# Altium PCB MEB.PcbDoc
Units mil, origin at the board's own origin, x right, y up, seen from the top; angles counter-clockwise.
Board outline 1960 x 1960 mil, 2 copper layers (Top Layer, Bottom Layer); 44 components, 32 nets, 141 pads, 8 vias.
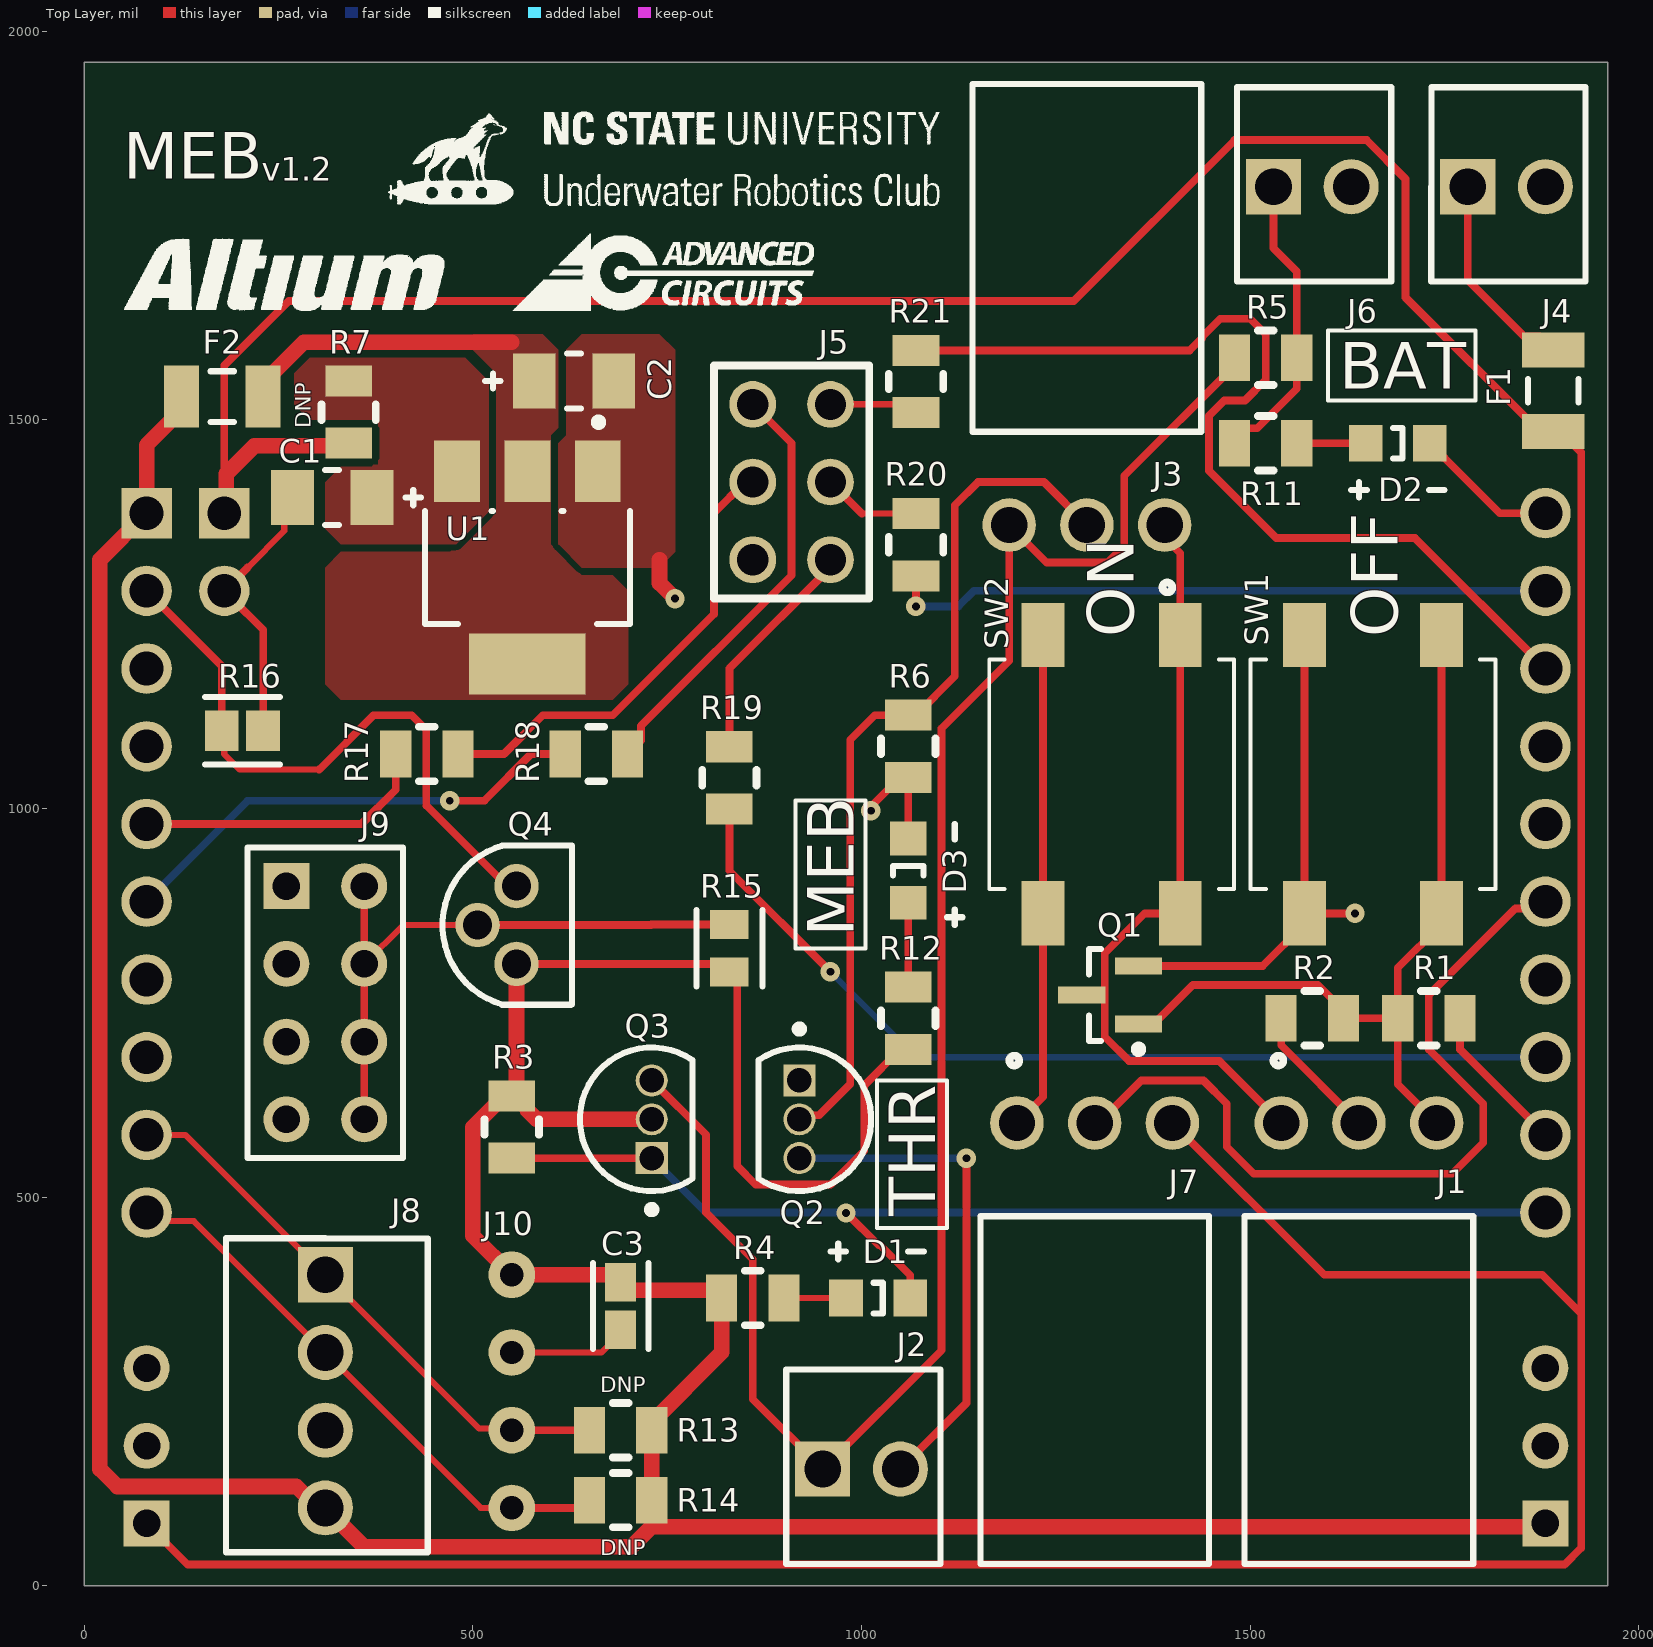
[diagram p0: Top Layer view]
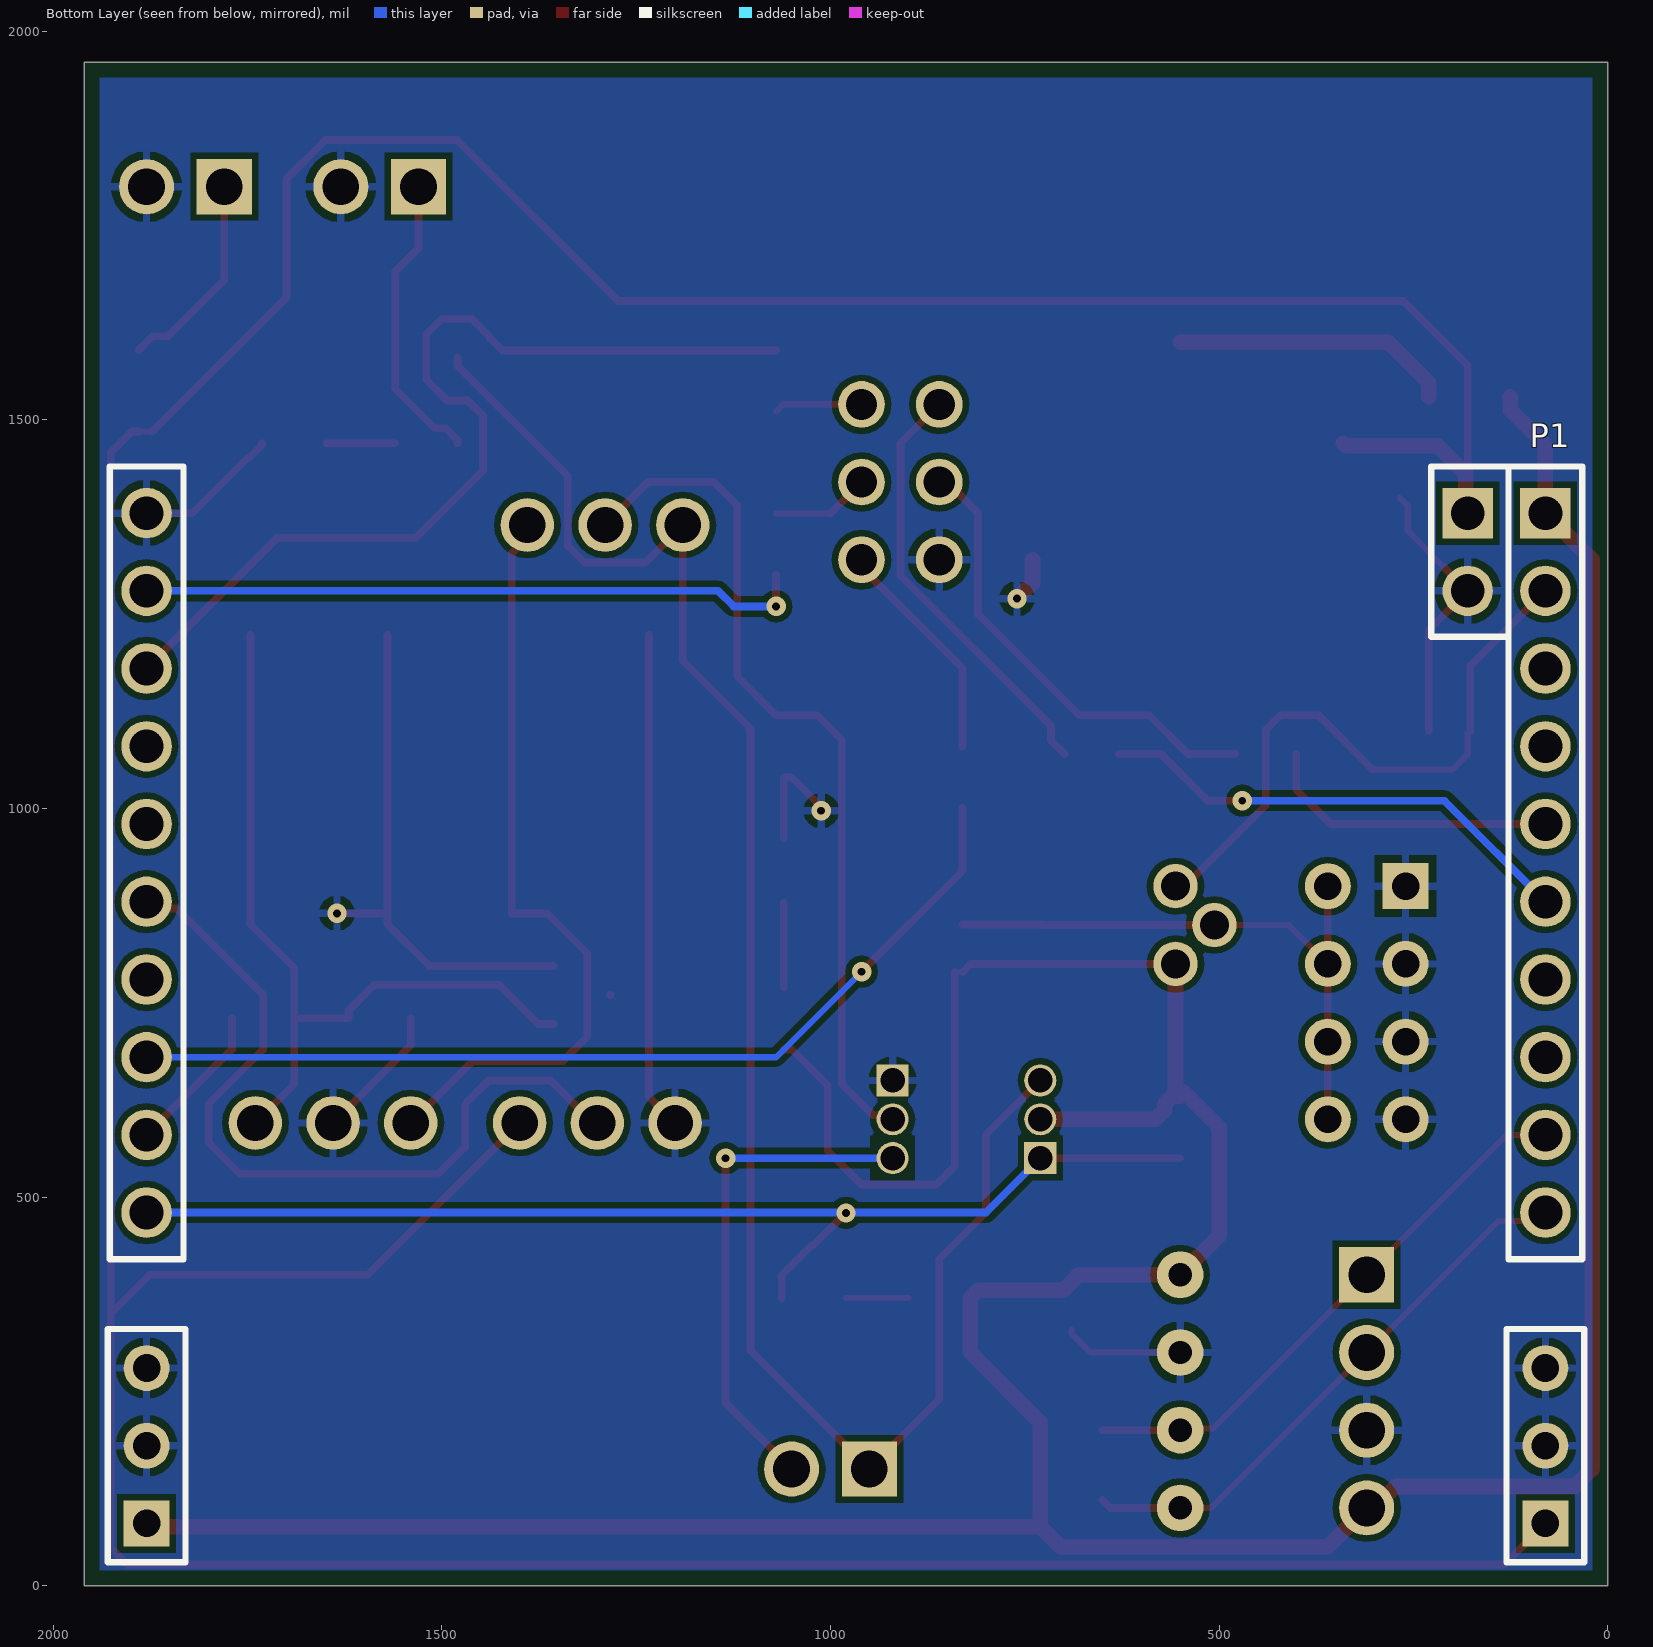
[diagram p1: Bottom Layer view, seen from below]

## Layer stack, top to bottom
Top Solder: solder mask 0.4, Solder Resist, Dk 3.5
Top Layer: signal copper 1.4
Dielectric 1: dielectric 12.6, FR-4, Dk 4.8
Bottom Layer: signal copper 1.4
Bottom Solder: solder mask 0.4, Solder Resist, Dk 3.5

## Board outline
0,0 0,1960 1960,1960 1960,0

## Design rules (kind name [scope] priority, off if disabled: settings)
BoardOutlineClearance [All] p1: gap=10 ignorepadtopadclearanceinfootprint=FALSE except(0: Arc-SplitContinuation Track-SplitContinuation SMDPad-SplitContinuation THPad-SplitContinuation Via-SplitContinuation Fill-SplitContinuation Poly-SplitContinuation Region-SplitContinuation Text-SplitContinuation)
Clearance [All] p1: gap=8 ignorepadtopadclearanceinfootprint=FALSE
HoleSize [All] p1: absolutevalues=TRUE maxlimit=1000 minlimit=4 maxpercent=80.000 minpercent=20.000
HoleToHoleClearance [All] p1: gap=8 allowstackedmicrovias=TRUE
MinimumAnnularRing [All] p1: minimumring=7
MinimumSolderMaskSliver [All] p1: minsoldermaskwidth=5
PolygonConnect [All] p1: connectstyle=Relief reliefconductorwidth=10 reliefentries=4 polygonreliefangle="90 Angle" airgapwidth=10
RoutingVias [All] p1: holewidth=10 width=25 viastyle="Through Hole" minholewidth=4 minwidth=20 maxholewidth=28 maxwidth=50
SilkToSilkClearance [All] p1: silktosilkclearance=5
SilkToSolderMaskClearance [IsPad] p1: minsilkscreentomaskgap=5 clearancetoexposedcopper=TRUE
SolderMaskExpansion [All] p1: expansion=4 istentingtop=FALSE
Width [All] p1: maxlimit=50 minlimit=8 preferedwidth=10 minimp=50.000000 maximp=50.000000 favimp=50.000000
25 further rules are at their usual default settings.

## Classes and differential pairs
component class "U_Temperature Sensor": C3 J10
component class U_LEDs: J5 R17 R18 R19 R20 R21
component class U_LeakSensor: J9 Q4 R15 R16
component class system_SSR_control: D1 J1 J2 J3 Q1 Q2 Q3 R1 R2 R3 R4 R5 R6 SW1 SW2
component class power_regulation: C1 C2 F1 F2 J4 J6 R7 U1
component class MSP-EXP430G2ET_interface: P1 R13 R14
component class MEB: D2 D3 J7 J8 R11 R12

## Components (designator, comment, footprint, x,y, rotation, side; value= is the part's Value field where it differs from the comment)
C1 "10uF" FP-TAJA-MFG 318.82,1400 r0 top
C2 "10uF" FP-TAJA-MFG 630,1550 r180 top
C3 "1uF" FP-0603-L_1_6_0_1-W_0_8_0-IPC_A 690,360 r270 top
D1 "1.9V" 0805_A 1021.34,370 r180 top
D2 "3.2V" 0805_A 1690,1470 r180 top
D3 "3.2V" 0805_A 1060,920 r270 top
F1 "0466002.NRHF" FP-0466-MFG 1890,1537.5 r90 top value=2A
F2 "0466001.NR" FP-0466-MFG 177.5,1530 r180 top value=1A
J1 "171857-0003" 171857-0003 1640,350 r180 top value=1x3
J2 "171856-0002" SHDR2W99P0X254_1X2_493X635X818P 950,150 r0 top value=1x2
J3 "171857-0003" 171857-0003 1290,1610 r0 top value=1x3
J4 "171856-0002" SHDR2W99P0X254_1X2_493X635X818P 1780,1800 r0 top value=1x2
J5 "Header" "2x3 Header" 910,1420 r90 top value=2x3
J6 "171856-0002" SHDR2W99P0X254_1X2_493X635X818P 1530,1800 r0 top value=1x2
J7 "171857-0003" 171857-0003 1300,350 r180 top value=1x3
J8 "171856-0004" SHDR4W99P0X254_1X4_1001X635X1105P 310,400 r270 top value=1x4
J9 "TLW-104-05-T-D" HDR2X4 260,900 r270 top value=2x4
J10 "1x4 Header" "1X4 HEADER" 350,200 r270 top value=1x4
P1 "MSP-EXP430G2ET Interface with 1x3 Power Headers" "MSP-EXP430G2ET Interface Power" 80,1380 r180 bottom locked
Q1 "2.1V" NDS351AN 1320,760 r180 top
Q2 "2N7000" ONSC-TO-92-3-29-11 920,600 r270 top value=1V
Q3 "2N7000" ONSC-TO-92-3-29-11 730,600 r90 top value=1V
Q4 "TP2104N3-G" FP-TP2104N3-G-MFG 545,850 r180 top value=20V
R1 "100" SMD-0805-RES 1730,730 r90 top
R2 "10k" SMD-0805-RES 1580,730 r90 top
R3 "100k" SMD-0805-RES 550,590 r180 top
R4 "140" SMD-0805-RES 860,370 r270 top
R5 "100k" SMD-0805-RES 1520,1580 r90 top
R6 "100k" SMD-0805-RES 1060,1080 r180 top
R7 "DNP" SMD-0805-RES 340,1510 r180 top value=0.0
R11 "1.3k" SMD-0805-RES 1520,1470 r270 top
R12 "10" SMD-0805-RES 1060,730 r0 top
R13 "4.7k" SMD-0805-RES 690,200 r270 top
R14 "4.7k" SMD-0805-RES 690,110 r270 top
R15 "1M" FP-RMCF0805-IPC_C 830,820 r270 top
R16 "10k" FP-RNCP0805-IPC_C 203.37,1100 r180 top
R17 "47" SMD-0805-RES 440.63,1070 r90 top
R18 "47" SMD-0805-RES 658.74,1070 r90 top
R19 "47" SMD-0805-RES 830,1039.37 r180 top
R20 "47" SMD-0805-RES 1070,1339.37 r180 top
R21 "47" SMD-0805-RES 1070,1549.37 r0 top
SW1 "FSM2JSMA" FSM2JSMA 1658.19,1044.13 r180 top value=24V
SW2 "FSM2JSMA" FSM2JSMA 1321.81,1044.13 r180 top value=24V
U1 "NCP1117LPST33T3G" FP-318H-MFG 570,1310 r270 top value=1A

## Footprints (in the part's own frame and the unit in brackets; to place one, negate y for a bottom-side part, rotate by r counter-clockwise, add the part's x,y. Pads: shape width x height; smd on the part's side, far side on the other; paste and mask are expansions set on the pad)
"1X4 HEADER" [mil]
  round 60 hole 30: 1(-200,200) 2(-100,200) 3(0,200) 4(100,200)
"2x3 Header" [mil]
  round 60 hole 40: 1(-100,-50) 2(-100,50) 3(0,-50) 4(0,50) 5(100,-50) 6(100,50)
  silkscreen extent -150,-100 150,100, body extent -150,-100 150,100, height 374
0805_A [mm] "Chip LED, 2-Leads, Body 2.0x1.3mm, IPC Medium Density"
  rect 1.1x1.2 smd: 1(-1.05,0) 2(1.05,0)
  silkscreen extent -0.15,-0.5 0.15,0.5, body extent -1,-0.62 1,0.63, height 0.68
171857-0003 [mm]
  round 1.75 hole 1.19: 1(2.54,-6.23) 2(0,-6.23) 3(-2.54,-6.23)
  silkscreen extent -3.74,-8.43 3.74,8.18
FP-318H-MFG [mm]
  rect 2x1.5 smd paste+0 mask+0: 1(-3.15,2.3) 2(-3.15,0) 3(-3.15,-2.3)
  rect 2x3.8 smd paste+0 mask+0: 4(3.15,0)
  silkscreen extent -4.87,-3.35 1.85,3.35, body extent -4.25,-3.68 4.25,3.68, height 0.25
FP-0466-MFG [mil]
  rect 45x80 smd paste+0 mask+0: 1(-52.5,0) 2(52.5,0)
  silkscreen extent -15,-32 15,32, body extent -79,-44 79,44, height 10
FP-0603-L_1_6_0_1-W_0_8_0-IPC_A [mil]
  rect 49.52x39.85 smd paste+0 mask+0: 1(-30.6,0) 2(30.6,0)
  silkscreen extent -55,-36 55,36, body extent -75,-40 75,40, height 10
FP-RMCF0805-IPC_C [mil]
  rect 37.58x49.69 smd paste+0 mask+0: 1(-30.54,0) 2(30.54,0)
  silkscreen extent -49,-42 49,42, body extent -53,-31 53,31, height 10
FP-RNCP0805-IPC_C [mil]
  rect 43.52x51.5 smd paste+0 mask+0: 1(-26.63,0) 2(26.63,0)
  silkscreen extent -48,-43 48,43, body extent -52,-31 52,31, height 10
FP-TAJA-MFG [mm]
  rect 1.4x1.8 smd paste+0 mask+0: 1(-1.3,0) 2(1.3,0)
  silkscreen extent -0.23,-0.9 2.9,0.9, body extent -2.1,-1 2.1,1, height 0.25
FP-TP2104N3-G-MFG [mm]
  round 1.45 hole 0.95 paste-1000 mask+0: 1(-0.279,1.27) 2(0.991,0) 3(-0.279,-1.27)
  silkscreen extent -2.1,-2.6 2.14,2.6, body extent -2.2,-2.7 2.2,2.7, height 0.25
FSM2JSMA [mm] "SPST OFF-MOM Switch"
  rect 1.4x2.1 smd: 1(2.24,4.55) 2(2.24,-4.55) 3(-2.24,4.55) 4(-2.24,-4.55)
  silkscreen extent -4,-3.75 4,3.75, body extent -3,-5 3,5, height 4.28
HDR2X4 [mm] "Connector; Header; 4x2 Position"
  rect 1.5x1.5 hole 0.9: 1(0,0)
  round 1.5 hole 0.9: 2(0,2.54) 3(2.54,0) 4(2.54,2.54) 5(5.08,0) 6(5.08,2.54) 7(7.62,0) 8(7.62,2.54)
  silkscreen extent -1.27,-1.27 8.89,3.81
"MSP-EXP430G2ET Interface Power" [mm] "MSP-EXP430G2ET Interface with 1x3 Power Headers"
  rect 1.65x1.65 hole 1.1: 1(0,0) 21(-2.54,0)
  round 1.65 hole 1.1: 2(0,-2.54) 3(0,-5.08) 4(0,-7.62) 5(0,-10.16) 6(0,-12.7) 7(0,-15.24) 8(0,-17.78) 9(0,-20.32) 10(0,-22.86) 11(-45.72,-22.86) 12(-45.72,-20.32) 13(-45.72,-17.78) 14(-45.72,-15.24) 15(-45.72,-12.7) 16(-45.72,-10.16) 17(-45.72,-7.62) 18(-45.72,-5.08) 19(-45.72,-2.54) 20(-45.72,0) 22(-2.54,-2.54)
  rect 1.5x1.5 hole 0.9: 23(-45.72,-33.02) 28(0,-33.02)
  round 1.5 hole 0.9: 24(-45.72,-30.48) 25(-45.72,-27.94) 26(0,-27.94) 27(0,-30.48)
  silkscreen extent -46.99,-34.29 1.27,1.53, body extent -46.99,-34.29 1.27,1.53, height 8.55
NDS351AN [mm] "SOT23, 3-Leads, Body 3.0x2.6mm (max), Pitch 0.95mm, IPC Medium Density"
  rect 1.55x0.55 smd: D(0.925,0) G(-0.925,0.95) S(-0.925,-0.95)
  silkscreen extent -1.05,-1.5 0.7,1.9, body extent -0.7,-1.5 0.7,1.5, height 1.1
ONSC-TO-92-3-29-11 [mm] "TO, 3-Leads, Body Dia 4.7mm, Pitch 1.27mm"
  rect 1.05x1.05 hole 0.8: 1(-1.27,0)
  round 1.05 hole 0.8: 2(0,0) 3(1.27,0)
  silkscreen extent -3.07,-1.34 2.35,2.35, body extent -2.35,-1.33 2.36,2.36, height 7.87
SHDR2W99P0X254_1X2_493X635X818P [mm]
  rect 1.8x1.8 hole 1.2: 1(0,0)
  round 1.8 hole 1.2: 2(2.54,0)
  silkscreen extent -1.19,-3.1 3.85,3.25, body extent -1.19,-3.17 3.73,3.17, height 8.18
SHDR4W99P0X254_1X4_1001X635X1105P [mm]
  rect 1.8x1.8 hole 1.2: 1(0,0)
  round 1.8 hole 1.2: 2(2.54,0) 3(5.08,0) 4(7.62,0)
  silkscreen extent -1.19,-3.25 9.07,3.35, body extent -1.19,-3.18 8.81,3.18, height 11.05
SMD-0805-RES [mil]
  rect 60x40 smd: 1(0,40) 2(0,-40)
  silkscreen extent -35,-10 35,10, body extent -24,-39 26,39, height 31

## Part data
C1 C2: library part CMP-1661-00004-2, "CAP TANT 10UF 10% 16V 1206", Case Code (Imperial)=1206, Case Code (Metric)=3216, Dielectric Material=Tantalum, ESR (Equivalent Series Resistance)=3R, Leakage Current=1.6uA, Manufacturer="KYOCERA AVX", Manufacturer Part Number=TAJA106K016RNJ, Max Operating Temperature=125°C, Min Operating Temperature=-55°C, Package Quantity=1, Tolerance=10%, Voltage=16V, Capacitance=10uF, Case/Package=1206, Depth=1.6mm, Dissipation Factor=8%, Features="General Purpose", Height=1.6mm, Height - Seated (Max)=0.071inch, Lead Free="Lead Free", Lead Pitch=1.1mm, Length=3.2mm, Mount="Surface Mount", Number of Pins=2, Packaging="Tape and Reel", Polarity=Polar, Radiation Hardening=No, REACH SVHC="No SVHC", Termination=SMD/SMT, Voltage Rating=16V, Voltage Rating (DC)=16V, Width=1.6mm
C3: library part CMP-2000-05447-3, "CAP CER 1UF 50V X5R 0603", Case Code (Imperial)=0603, Case Code (Metric)=1608, Dielectric=X5R, Manufacturer="Taiyo Yuden", Manufacturer Part Number=UMK107BJ105KA-T, Max Operating Temperature=85°C, Min Operating Temperature=-55°C, Package Quantity=1, Tolerance=10%, Voltage Rating=50V, Capacitance=1uF, Case/Package=0603, Construction=Flat, Contact Plating=Nickel, Depth=0.8mm, Halogen Free="Halogen Free", Height=0.8mm, Length=1.6mm, Mount="Surface Mount", Number of Pins=2, Packaging="Tape and Reel", Radiation Hardening=No, RoHS Compliant=Yes, Series=M, Termination=SMD/SMT, Thickness=0.035inch, Voltage Rating (DC)=50V, Width=0.031inch
D1: library part CMP-1426-00010-1, "LED RED CLEAR 0805 SMD", Manufacturer="Würth Elektronik", Manufacturer Part Number=150080SS75000, Operating Temperature="-40°C ~ 85°C", Package / Case="0805 (2012 Metric)", Datasheet Link=https://www.we-online.com/katalog/datasheet/150080SS75000.pdf, RoHS=YES
D2: library part CMP-1426-00008-1, "LED BLUE CLEAR 0805 SMD", Manufacturer="Würth Elektronik", Manufacturer Part Number=150080BS75000, Operating Temperature="-40°C ~ 85°C", Package / Case="0805 (2012 Metric)", Datasheet Link=https://www.we-online.com/katalog/datasheet/150080BS75000.pdf, RoHS=YES
D3: library part CMP-1426-00007-1, "LED GREEN CLEAR 0805 SMD", Manufacturer="Würth Elektronik", Manufacturer Part Number=150080GS75000, Operating Temperature="-40°C ~ 85°C", Package / Case="0805 (2012 Metric)", Datasheet Link=https://www.we-online.com/katalog/datasheet/150080GS75000.pdf, RoHS=YES
F1: library part CMP-08605-000085-1, "FUSE BOARD MNT 2A 63VAC/VDC 1206", Case Code (Imperial)=1206, Case Code (Metric)=3216, Current=2A, DC Cold Resistance=31mR, Manufacturer="Littelfuse Inc.", Max Operating Temperature=90°C, Min Operating Temperature=-55°C, Package Quantity=5000, Power Dissipation=157.5mW, Voltage Rating (AC)=63V, Approvals=UL, Case/Package=1206, Current Rating=2A, Depth=1.52mm, Fuse Type="Board Mount (Cartridge Style Excluded)", Height=0.023inch, Housing Material=Ceramic, Length=3.18mm, Manufacturer Part Number=0466002.NRHF, Mount="Surface Mount", Packaging="Tape and Reel", Voltage Rating (DC)=63V, Width=0.06inch
F2: library part CMP-08605-000058-1, "FUSE BOARD MNT 1A 63VAC/VDC 1206", Fuse Current=1A, Fuse Interrupt Ac Current=50A, Fuse Voltage Drop=79.97mV, Manufacturer="Littelfuse Inc", Max Fuse Ac Voltage=63V, Package=0466, Resistance=0.075Ω, Temperature="-55°C to +90°C", Temperature Range High=+90°C, Temperature Range Low=-55°C, Automotive=No, Category=Fuse, ComponentLink2Description=Datasheet, ComponentLink2URL=https://www.littelfuse.com/~/media/electronics/datasheets/fuses/littelfuse_fuse_466_datasheet.pdf.pdf, Device Class L1="Circuit Protection", Device Class L2=Fuses, Device Class L3=unset, Digikey Description="FUSE BOARD MNT 1A 63VAC/VDC 1206", Fuse Blow Speed=Fast, Fuse I2T=0.0423A2Sec, Fuse Interrupt Dc Current=50A, Height=0.66mm, Lead Free=Yes, Manufacturer Part Number=0466001.NR, Max Fuse Dc Voltage=63V, Mouser Description="Surface Mount Fuses 63V FA 1206 1A VFA Slimline", Octopart=https://octopart.com/0466001.nr-littelfuse-566005, RoHS=TRUE, Voltage Rating=63V
J1 J3 J7: "CONN HEADER R/A 3POS 2.54MM", Manufacturer=Molex, Mouser2 Part Number=538-171857-0003, Datasheet Link=https://componentsearchengine.com//171857-0003.pdf, Manufacturer Part Number=171857-0003, Manufacturer_Name=Molex, Mouser2 Price/Stock=https://www.mouser.com/Search/Refine.aspx?Keyword=538-171857-0003
J2 J4 J6: "CONN HEADER VERT 2POS 2.54MM", Manufacturer=Molex, Mouser2 Part Number=538-171856-0002, Datasheet Link=https://componentsearchengine.com//171856-0002.pdf, Height=8.18mm, Manufacturer Part Number=171856-0002, Manufacturer_Name=Molex, Mouser2 Price/Stock=https://www.mouser.com/Search/Refine.aspx?Keyword=538-171856-0002
J5: library part "2x3 Header", "CONN HEADER VERT 6POS 2.54MM", Manufacturer="Amphenol ICC (FCI)", Manufacturer 1=FCI, Manufacturer Part Number=67996-406HLF, Supplier Part Number 1=20M2191, ComponentLink1Description=http://www.farnell.com/datasheets/1876884.pdf, ComponentLink1URL=http://www.farnell.com/datasheets/1876884.pdf, Contact Plating="Tin Plated Contacts", Contact Termination Type="Through Hole", Description 1="FCI - 67996-406HLF - BOARD-BOARD CONNECTOR HEADER, 6 POSITION, 2ROW", Gender=Header, No. of Contacts=6, No. of Rows=2, Pitch Spacing=2.54, Pricing 1="1=0.254, 10=0.218, 25=0.186, 50=0.178, 100=0.16, 250=0.153, 500=0.128, 1000=0.117 (USD)", Product Range="BergStik 67996 Series", RoHS=YES, Stock 1=441, Supplier 1=Newark
J8: "CONN HEADER VERT 4POS 2.54MM", Manufacturer=Molex, Datasheet Link=https://www.molex.com/pdm_docs/sd/1718560004_sd.pdf, Height=11.05mm, Manufacturer Part Number=171856-0004, Manufacturer_Name=Molex
J9: library part "Header 4X2", "CONN HEADER VERT 8POS 2.54MM", Manufacturer="Samtec Inc.", LatestRevisionDate=17-Jul-2002, LatestRevisionNote="Re-released for DXP Platform.", Manufacturer Part Number=TLW-104-05-T-D, Publisher="Altium Limited"
J10: library part "1X4 Header", "CONN HEADER VERT 4POS 2.54MM", Manufacturer="Würth Elektronik", Manufacturer Part Number=61300411121
P1: library part "MSP-EXP430G2ET Interface Power", "LAUNCHPAD MSP430G2553 EVAL BRD", Manufacturer="Texas Instruments", Manufacturer Part Number=MSP-EXP430G2ET
Q1: library part N-MOSFET, "MOSFET N-CH 60V 270MA TO236AB", Manufacturer="Nexperia USA Inc.", Manufacturer Part Number=NX7002BKR, Operating Temperature="-55°C ~ 150°C", Package / Case=SOT-23-3, Datasheet Link=https://assets.nexperia.com/documents/data-sheet/NX7002BK.pdf, RoHS=YES
Q2 Q3: library part CMP-1058-00936-1, "N-Channel 60 V 350mA (Tc) 350mW (Ta) Through Hole TO-92-3", Manufacturer="On Semiconductor", Operating Temperature="-55°C ~ 150°C", Package / Case=TO-92, Datasheet Link=http://www.onsemi.com/pub_link/Collateral/2N7000-D.PDF, Manufacturer Part Number=2N7000, RoHS=YES
Q4: library part CMP-06369-000017-1, "MOSFET P-CH 40V 175MA TO92-3", Case/Package=TO-92-3, Continuous Drain Current (ID)=175mA, Drain to Source Breakdown Voltage=-40V, Drain to Source Resistance=6R, Drain to Source Voltage (Vdss)=40V, Gate to Source Voltage (Vgs)=20V, Input Capacitance=60pF, Manufacturer="Microchip Technology", Max Operating Temperature=150°C, Max Power Dissipation=740mW, Min Operating Temperature=-55°C, Package Quantity=1000, Element Configuration=Single, Fall Time=4ns, Height=5.33mm, Lead Free="Lead Free", Length=5.21mm, Manufacturer Part Number=TP2104N3-G, Mount="Through Hole", Number of Channels=1, Number of Pins=3, Packaging=Bulk, Polarity=P-CHANNEL, Power Dissipation=740mW, Rds On Max=6R, Rise Time=4ns, RoHS Compliant=Yes, Series=-, Turn-Off Delay Time=5ns, Turn-On Delay Time=4ns, Weight=0.016oz, Width=4.19mm
R1: library part ERJ-6ENF1000V, "RES SMD 100 OHM 1% 1/8W 0805", Manufacturer=YAGEO, Manufacturer Part Number=RC0805FR-07100RL, Operating Temperature="-55°C ~ 155°C", Package / Case="0805 (2012 Metric)", Datasheet Link=https://www.yageo.com/upload/media/product/productsearch/datasheet/rchip/PYu-RC_Group_51_RoHS_L_11.pdf, RoHS=YES
R2: library part ERJ-6ENF1002V, "RES SMD 10K OHM 1% 1/8W 0805", Manufacturer=YAGEO, Manufacturer Part Number=RC0805JR-0710KL, Operating Temperature="-55°C ~ 155°C", Package / Case="0805 (2012 Metric)", Datasheet Link=https://www.yageo.com/upload/media/product/productsearch/datasheet/rchip/PYu-RC_Group_51_RoHS_L_11.pdf, RoHS=YES
R3 R5: library part ERJ-6ENF1003V, "RES SMD 100K OHM 1% 1/8W 0805", Manufacturer="Panasonic Electronic Components", Operating Temperature="-55°C ~ 155°C", Package / Case="0805 (2012 Metric)", Datasheet Link=http://industrial.panasonic.com/www-cgi/jvcr13pz.cgi?E+PZ+3+AOA0002+ERJ6ENF1003V+7+WW, Manufacturer Part Number=ERJ-6ENF1003V, RoHS=YES
R4: library part ERJ-6ENF1400V, "RES SMD 140 OHM 1% 1/8W 0805", Manufacturer=YAGEO, Manufacturer Part Number=RC0805FR-07140RL, Operating Temperature="-55°C ~ 155°C", Package / Case="0805 (2012 Metric)", Datasheet Link=https://www.yageo.com/upload/media/product/productsearch/datasheet/rchip/PYu-RC_Group_51_RoHS_L_11.pdf, RoHS=YES
R6: library part ERJ-6ENF1003V, "RES SMD 100K OHM 1% 1/8W 0805", Digi-Key Part Number=P100KCCT-ND, Manufacturer="Panasonic Electronic Components", Operating Temperature="-55°C ~ 155°C", Package / Case="0805 (2012 Metric)", Power (Watts)="0.125W, 1/8W", Supplier Device Package=0805, Temperature Coefficient=±100ppm/°C, Tolerance=±1%, @ qty=1500, Composition="Thick Film", Datasheets=http://industrial.panasonic.com/www-cgi/jvcr13pz.cgi?E+PZ+3+AOA0002+ERJ6ENF1003V+7+WW, Factory Stock=0, Failure Rate=-, Features="Automotive AEC-Q200", Height - Seated (Max)="0.028\" (0.70mm)", Image=//media.digikey.com/Renders/Panasonic%20Renders/ERJ-0805%20Pkg.jpg, Manufacturer Part Number=ERJ-6ENF1003V, Minimum Quantity=1, Number of Terminations=2, Packaging="Cut Tape (CT)", Part Number=ERJ-6ENF1003V, Part Status=Active, Quantity Available=760677, Series=ERJ, Size / Dimension="0.079\" L x 0.049\" W (2.00mm x 1.25mm)", Unit Price (USD)=0.00729
R7: library part ERJ-6GEY0R00V, "RES SMD 0 OHM JUMPER 1/8W 0805", Digi-Key Part Number=P0.0ACT-ND, Manufacturer="Panasonic Electronic Components", Operating Temperature="-55°C ~ 155°C", Package / Case="0805 (2012 Metric)", Power (Watts)="0.125W, 1/8W", Supplier Device Package=0805, Temperature Coefficient=-, Tolerance=Jumper, @ qty=1500, Composition="Thick Film", Datasheets=http://industrial.panasonic.com/www-cgi/jvcr13pz.cgi?E+PZ+3+AOA0001+ERJ6GEY0R00V+7+WW, Factory Stock=0, Failure Rate=-, Features="Automotive AEC-Q200", Height - Seated (Max)="0.028\" (0.70mm)", Image=//media.digikey.com/Renders/Panasonic%20Renders/ERJ-0805%20Pkg.jpg, Manufacturer Part Number=ERJ-6GEY0R00V, Minimum Quantity=1, Number of Terminations=2, Packaging="Cut Tape (CT)", Part Number=ERJ-6GEY0R00V, Part Status=Active, Quantity Available=1597627, Series=ERJ, Size / Dimension="0.079\" L x 0.049\" W (2.00mm x 1.25mm)", Unit Price (USD)=0.00544
R11: library part ERJ-6GEYJ132V, "RES SMD 1.3K OHM 5% 1/8W 0805", Manufacturer="KOA Speer Electronics, Inc.", Manufacturer Part Number=RK73B2ATTD132J, Operating Temperature="-55°C ~ 155°C", Package / Case="0805 (2012 Metric)", Datasheet Link=https://www.koaspeer.com/pdfs/RK73B.pdf, RoHS=YES
R12: library part ERJ-6ENF10R0V, "RES SMD 10 OHM 1% 1/8W 0805", Manufacturer=YAGEO, Manufacturer Part Number=RC0805FR-0710RL, Operating Temperature="-55°C ~ 155°C", Package / Case="0805 (2012 Metric)", Datasheet Link=https://www.yageo.com/upload/media/product/productsearch/datasheet/rchip/PYu-RC_Group_51_RoHS_L_11.pdf, RoHS=YES
R13 R14: library part ERJ-6ENF4701V, "RES SMD 4.7K OHM 1% 1/8W 0805", Manufacturer=YAGEO, Manufacturer Part Number=RT0805FRE074K7L, Operating Temperature="-55°C ~ 155°C", Package / Case="0805 (2012 Metric)", Datasheet Link=https://www.yageo.com/upload/media/product/productsearch/datasheet/rchip/PYu-RT_1-to-0.01_RoHS_L_12.pdf, RoHS=YES
R15: library part CMP-26527-000066-1, "RES 1M OHM 5% 1/8W 0805", Case Code (Imperial)=0805, Case Code (Metric)=2012, Manufacturer="Stackpole Electronics Inc", Manufacturer Part Number=RMCF0805JT1M00, Max Operating Temperature=155°C, Max Power Dissipation=125mW, Min Operating Temperature=-55°C, Resistance=1MR, Resistor Type="Thick Film", Temperature Coefficient=200ppm/°C, Tolerance=5%, Case/Package=0805, Construction=Rectangular, Contact Plating=Tin, Depth=1.25mm, Features="Automotive AEC-Q200", Height=0.026inch, Lead Free="Lead Free", Length=2mm, Military Standard=Not, Mount="Surface Mount", Number of Terminations=2, Packaging="Tape and Reel", Radiation Hardening=No, RoHS Compliant=Yes, Series=RMCF, Width=0.049inch
R16: library part CMP-26527-007436-1, "RES 10K OHM 1% 1/4W 0805", Case Code (Imperial)=0805, Case Code (Metric)=2012, Manufacturer="Stackpole Electronics Inc", Manufacturer Part Number=RNCP0805FTD10K0, Max Operating Temperature=155°C, Max Power Dissipation=250mW, Min Operating Temperature=-55°C, Resistance=10kR, Resistor Type="Thin Film", Temperature Coefficient=100ppm/°C, Tolerance=1%, Case/Package=0805, Features="Moisture Resistant", Height=0.024inch, Lead Free="Lead Free", Length=0.079inch, Mount="Surface Mount", Number of Terminations=2, Packaging="Tape and Reel", RoHS Compliant=Yes, Series=RNCP, Width=0.049inch
R17 R18 R19 R20 R21: library part ERJ-6ENF47R0V, "RES SMD 47 OHM 1% 1/8W 0805", Digi-Key Part Number=P47.0CCT-ND, Manufacturer="Panasonic Electronic Components", Operating Temperature="-55°C ~ 155°C", Package / Case="0805 (2012 Metric)", Power (Watts)="0.125W, 1/8W", Supplier Device Package=0805, Temperature Coefficient=±100ppm/°C, Tolerance=±1%, @ qty=1500, Composition="Thick Film", Datasheets=http://industrial.panasonic.com/www-cgi/jvcr13pz.cgi?E+PZ+3+AOA0002+ERJ6ENF47R0V+7+WW, Factory Stock=0, Failure Rate=-, Features="Automotive AEC-Q200", Height - Seated (Max)="0.028\" (0.70mm)", Image=//media.digikey.com/Renders/Panasonic%20Renders/ERJ-0805%20Pkg.jpg, Manufacturer Part Number=ERJ-6ENF47R0V, Minimum Quantity=1, Number of Terminations=2, Packaging="Cut Tape (CT)", Part Number=ERJ-6ENF47R0V, Part Status=Active, Quantity Available=66070, Series=ERJ, Size / Dimension="0.079\" L x 0.049\" W (2.00mm x 1.25mm)", Unit Price (USD)=0.00729
SW1 SW2: "SWITCH TACTILE SPST-NO 0.05A 24V", Manufacturer="TE Connectivity", Operating Temperature="-35°C ~ 85°C", Package / Case=Non-standard, Datasheet Link=https://www.te.com/commerce/DocumentDelivery/DDEController?Action=srchrtrv&DocNm=1308111-1_SWITCHES_CORE_PROGRAM_CATALOG&DocType=CS&DocLang=English, Manufacturer Part Number=FSM2JSMA, RoHS=YES
U1: library part CMP-07128-000031-1, "IC REG LINEAR 3.3V 1A SOT223", Case/Package=SOT-223, Dropout Voltage=1.3V, Manufacturer="On Semiconductor", Max Input Voltage=18V, Max Operating Temperature=125°C, Max Output Current=1A, Min Current Limit=1.1A, Min Input Voltage=-300mV, Min Operating Temperature=0°C, Min Output Voltage=3.3V, Package Quantity=1, Power Supply Rejection Ratio (PSRR)=60dB, Quiescent Current=700uA, Reference Voltage=1.275V, Contact Plating=Tin, Halogen Free="Halogen Free", Height=1.69mm, Lead Free="Lead Free", Length=6.7mm, Manufacturer Part Number=NCP1117LPST33T3G, Mount="Surface Mount", Nominal Output Voltage=3.3V, Number of Outputs=1, Number of Pins=3, Number of Regulators=1, Output Current=1A, Output Type=Fixed, Output Voltage=3.3V, Packaging="Tape and Reel", Polarity=Positive, REACH SVHC="No SVHC", Width=3.7mm

## Via types
v1: diameter 25, hole 10, Top Layer to Bottom Layer, 8 vias

## Nets (pads, with @x,y where several pads share a name; then routed paths per layer and width w, separated by ;. In a path a pad name is that pad's centre, name@x,y a point inside that pad or via, vN(x,y) a via of type N, cw(c..) or ccw(c..) an arc to the next point about the centre after c; other vN are vias at no path point)
3V3: C3.1 F2.2 J8.4 J10.1 P1.1 P1.23 Q3.2 Q4.1 R3.2 R4.2 R12.2 R13.1 R14.1 R15.2 | length 5474.6
  Top Layer w8: R3.2 R3.2@556,636
  Top Layer w10: Q4.1 819.46,800 R15.2 ; R15.2@840,789.46 840,540 864,516 960,516 1003.5,559.5 1003.5,643.5 1050,690 R12.2
  Top Layer w20: F2.2 125,1512.5 80,1467.5 P1.1 20,1320 20,150 42.47,127.53 272.85,127.53 300.38,100 J8.4 360,50 704,50 730,76 ; R3.2@545,635 500,590 500,450 J10.1 680.6,400 C3.1 690,389.92 699.92,380 810,380 R4.2 820,300 730,210 R13.1 R14.1 730,76 ; R3.2 560,630 570,620 570,611.72 581.72,600 Q3.2 ; R3.2@556,636 Q4.1 ; P1.23 1876,76 730,76
5V: F1.1 J7.3 P1.21 P1.28 R7.1 | length 6401.7
  Top Layer w8: F1.1@1872.5,1485 F1.1
  Top Layer w10: P1.28 133,27 1904.44,27 1926,48.56 1926,350 ; 182.72,1430.76 180,1433.48 180,1570 263,1653 1273,1653 1480,1860 1650,1860 1700,1810 1700,1657.5 F1.1@1872.5,1485 ; J7.3 1595.28,400 1876,400 1926,350 ; F1.1 1899,1485 1926,1458 1926,350
  Top Layer w20: P1.21 182.72,1382.72 182.72,1430.76 218.51,1466.55 336.55,1466.55 R7.1
GND: C1.1 C2.1 C3.2 D2.1 D3.1 J1.2 J4.2 J5.2 J6.2 J7.1 J8.3 J9.1 J9.3 J9.5 J9.7 J10.2 P1.20 P1.22 P1.24 P1.25 P1.26 P1.27 Q1.S Q2.1 R2.1 R6.1 R16.1 SW1.1 SW1.2 SW2.1 SW2.2 U1.1 | length 2401.6
  Top Layer w8: 210,1310 257.25,1357.25 257.25,1389.62 C1.1 ; J10.2 665.43,300 690,324.57 C3.2
  Top Layer w10: 210,1310 P1.22 180,1270 190,1270 230,1230 R16.1 ; v1(1012,997) 1012,1002 1050,1040 R6.1 D3.1 ; J7.1 1233.62,628.9 SW2.1 SW2.2 ; Q1.S 1516.18,797.4 1570,851.22 SW1.1 ; R2.1 1540,695.28 J1.2 ; SW1.2 SW1.1 ; v1(1635,865) SW1.1 ; D2.1 1731.34,1468.03 1747.99,1451.38 1749.96,1451.38 1821.34,1380 P1.20
  Top Layer w20: 740,1320 740,1290 v1(760,1270)
NetC1_2: C1.2 R7.2 U1.3
NetC2_2: C2.2 F2.1 U1.2 U1.4 | length 359.2
  Top Layer w20: F2.1 230,1547.5 282.5,1600 550,1600
NetD1_2: D1.2 R4.1 | length 80
  Top Layer w8: R4.1 D1.2
NetD2_2: D2.2 R11.1 | length 88.7
  Top Layer w10: R11.1 D2.2
NetD3_2: D3.2 R12.1 | length 108.7
  Top Layer w10: R12.1 D3.2
NetF1_2: F1.2 J4.1 | length 267.3
  Top Layer w10: J4.1 1780,1680 1852.5,1607.5 1872.5,1607.5 F1.2
NetJ2_2: J2.2 Q2.3 | length 650.2
  Top Layer w10: J2.2 1135,235 v1(1135,550)
  Bottom Layer w10: Q2.3 v1(1135,550)
NetJ5_1: J5.1 R19.2 | length 294.5
  Top Layer w10: R19.2 830,1180 960,1310 J5.1
NetJ5_3: J5.3 R20.2 | length 126.8
  Top Layer w8: 1000.63,1379.37 R20.2
  Top Layer w10: J5.3 1000.63,1379.37
NetJ5_4: J5.4 R17.2 | length 591.8
  Top Layer w10: R17.2@479.37,1070 540,1070 590,1120 680,1120 810,1250 810,1380 J5.4@850,1420
NetJ5_5: J5.5 R21.2 | length 133.9
  Top Layer w8: J5.5@940,1520 1060.63,1520 R21.2@1070,1510.63
NetJ5_6: J5.6 R18.2 | length 558.2
  Top Layer w10: R18.2 716.06,1087.32 716.06,1106.06 910,1300 910,1470 J5.6
NetJ7_2: J7.2 P1.15 | length 1040
  Top Layer w10: J7.2 1305.28,595.28 1360,650 1440,650 1470,620 1470,564.69 1504.69,530 1760,530 1800,570 1800,620 1730,690 1730,760 1841.43,871.43 1871.43,871.43 P1.15
NetJ9_2: J9.2 J9.4 J9.6 J9.8 Q4.2 R15.1 | length 790.9
  Top Layer w8: J9.4 410,850 Q4.2
  Top Layer w10: J9.8 J9.6 J9.4 J9.2 ; Q4.2 729,850 729.54,850.54 R15.1
NetP1_2: P1.2 Q4.3 R16.2 | length 812.8
  Top Layer w8: R16.2 180,1096.74 180,1070 200,1050 302,1050
  Top Layer w10: P1.2 176.74,1183.26 R16.2 ; 302,1050 372,1120 421.18,1120 440,1101.18 440,1003.94 543.94,900 Q4.3
NetP1_5: P1.5 R17.1 | length 384.9
  Top Layer w10: P1.5 356.63,980 400.63,1024 R17.1
NetP1_6: P1.6 R18.1 | length 627.4
  Top Layer w10: v1(470,1010) 514.74,1010 574.74,1070 R18.1@628.74,1070
  Bottom Layer w10: P1.6 210,1010 v1(470,1010)
NetP1_13: P1.13 R19.1 | length 1230
  Top Layer w10: R19.1@830,1000.63 830,920 v1(960,790)
  Bottom Layer w8: v1(960,790) 1070,680 P1.13
NetP1_18: P1.18 R21.1 | length 1235.7
  Top Layer w10: R21.1 1422.4,1589.37 1438.51,1605.48 1438.51,1606.89 1461.62,1630 1500,1630 1520,1610 1520,1551.62 1493.38,1525 1466.62,1525 1447,1505.38 1447,1434.62 1533.62,1348 1712,1348 P1.18
NetP1_19: P1.19 R20.1 | length 858.9
  Top Layer w10: v1(1070,1260) R20.1@1070,1300.63
  Bottom Layer w10: v1(1070,1260) 1124.63,1260 1144.63,1280 P1.19
SCL: J8.1 J10.3 P1.9 R13.2 | length 727.4
  Top Layer w8: P1.9 130,580 J8.1 508,202 548,202 J10.3
  Top Layer w10: J10.3 R13.2
SDA: J8.2 J10.4 P1.10 R14.2 | length 731.5
  Top Layer w8: P1.10 90.9,469.1 140.9,469.1 510,100 J10.4
  Top Layer w10: J10.4 640,100 R14.2
SW_ARM: J3.2 Q2.2 R6.2 | length 1120.9
  Top Layer w10: Q2.2 925.22,605.22 945.22,605.22 985.5,645.5 985.5,1088.5 1017,1120 1070,1120 1120,1170 1120,1390 1150,1420 1234.72,1420 J3.2
SYS_ENABLE: P1.12 R1.2 | length 195.6
  Top Layer w10: R1.2 1770,690 P1.12
SYS_SSR_P4_Coil-: J1.1 J3.1 Q1.D SW2.3 SW2.4 | length 1007.4
  Top Layer w10: Q1.D@1283,760 Q1.D ; 1344,675 1460.28,675 J1.1 ; 1344.15,675.15 1312.91,706.39 1312.91,813.61 1364.29,865 SW2.3 SW2.4 1410,1328.25 1390,1348.25 J3.1
SYS_SW: J1.3 Q1.G R1.1 R2.2 SW1.3 SW1.4 | length 1050.3
  Top Layer w10: Q1.G 1376.1,722.6 1426.51,773 1587,773 1620,740 R2.2 R1.1 ; J1.3 1690,645.28 R1.1 ; SW1.4 SW1.3 1746.38,851.22 1690.16,795 1690,795 R1.1
THR_KILLED: D1.1 P1.11 Q3.1 R3.1 | length 1504.2
  Top Layer w10: R3.1 Q3.1 ; v1(980,479.5) 980.5,479.5 1022,438 1024,438 1062.68,399.32 D1.1
  Bottom Layer w10: Q3.1 800,480 P1.11
THR_SSR_P4_COIL-: J2.1 J3.3 Q3.3 R5.1 | length 2383.1
  Top Layer w10: Q3.3 800,580 800,480 860,420 860,240 J2.1 1103,303 1103,1103 1190,1190 J3.3 1238.41,1316.32 1316.32,1316.32 1338,1338 1338,1428 1480,1570 R5.1
V_BAT: J6.1 R5.2 R11.2 | length 383.8
  Top Layer w10: R11.2 1480,1474.14 1495,1489.14 1509.14,1489.14 1560,1540 R5.2 1560,1691 1530,1721 J6.1
pads on no net: P1.3 P1.4 P1.7 P1.8 P1.14 P1.16 P1.17

## Polygon pours and split planes (outlines as drawn)
NetC2_2 on Top Layer "NETC2_2_L01_P004" (solid, pour order 4): 530,1560 500,1590 500,1610 590,1610 610,1590 610,1490 600,1480 600,1340 640,1300 680,1300 700,1280 700,1160 680,1140 330,1140 310,1160 310,1310 330,1330 410,1330 470,1330 530,1380
NetC1_2 on Top Layer "NETC1_2_L01_P008" (solid, pour order 8): 290,1580 270,1560 270,1520 290,1500 370,1500 380,1490 380,1450 370,1440 330,1440 310,1420 310,1360 330,1340 480,1340 520,1380 520,1450 520,1550 490,1580
GND on Top Layer "GND_L01_P003" (solid, pour order 3): 620,1480 610,1470 610,1340 640,1310 740,1310 760,1330 760,1590 740,1610 640,1610 620,1590
GND on Bottom Layer "GND_L02_P000" (solid, pour order 0): 20,1940 20,20 1940,20 1940,1940

## Silkscreen, mask and mechanical layers (free items; w line width, h text height)
Top Overlay:
  drawing of 100 lines, arcs and shapes, not listed
  text "MEB" at 50,1810 h60
  text "v1.2" at 228,1808 h30
  text "BAT" at 1615,1540 h60
  text "DNP" at 291,1489 h20 r90
  text "ON" at 1350,1220 h60 r90
  text "OFF" at 1690,1220 h60 r90
  text "MEB" at 990,835 h60 r90
  text "THR" at 1095,475 h60 r90
  text "DNP" at 664,249 h20
  text "DNP" at 664,39 h20
Mechanical 1:
  the board outline again, w10

## Dimensions
1960,1960 to 1960,0 on Mechanical 1
0,1960 to 1960,1960 on Mechanical 1